# Altium PCB BOARD.PcbDoc
Units mm, origin at the board's own origin, x right, y up, seen from the top; angles counter-clockwise.
Board outline 30 x 50 mm, 2 copper layers (Top Layer, Bottom Layer), stack 1.559 mm thick; 91 components, 132 nets, 427 pads, 105 vias.
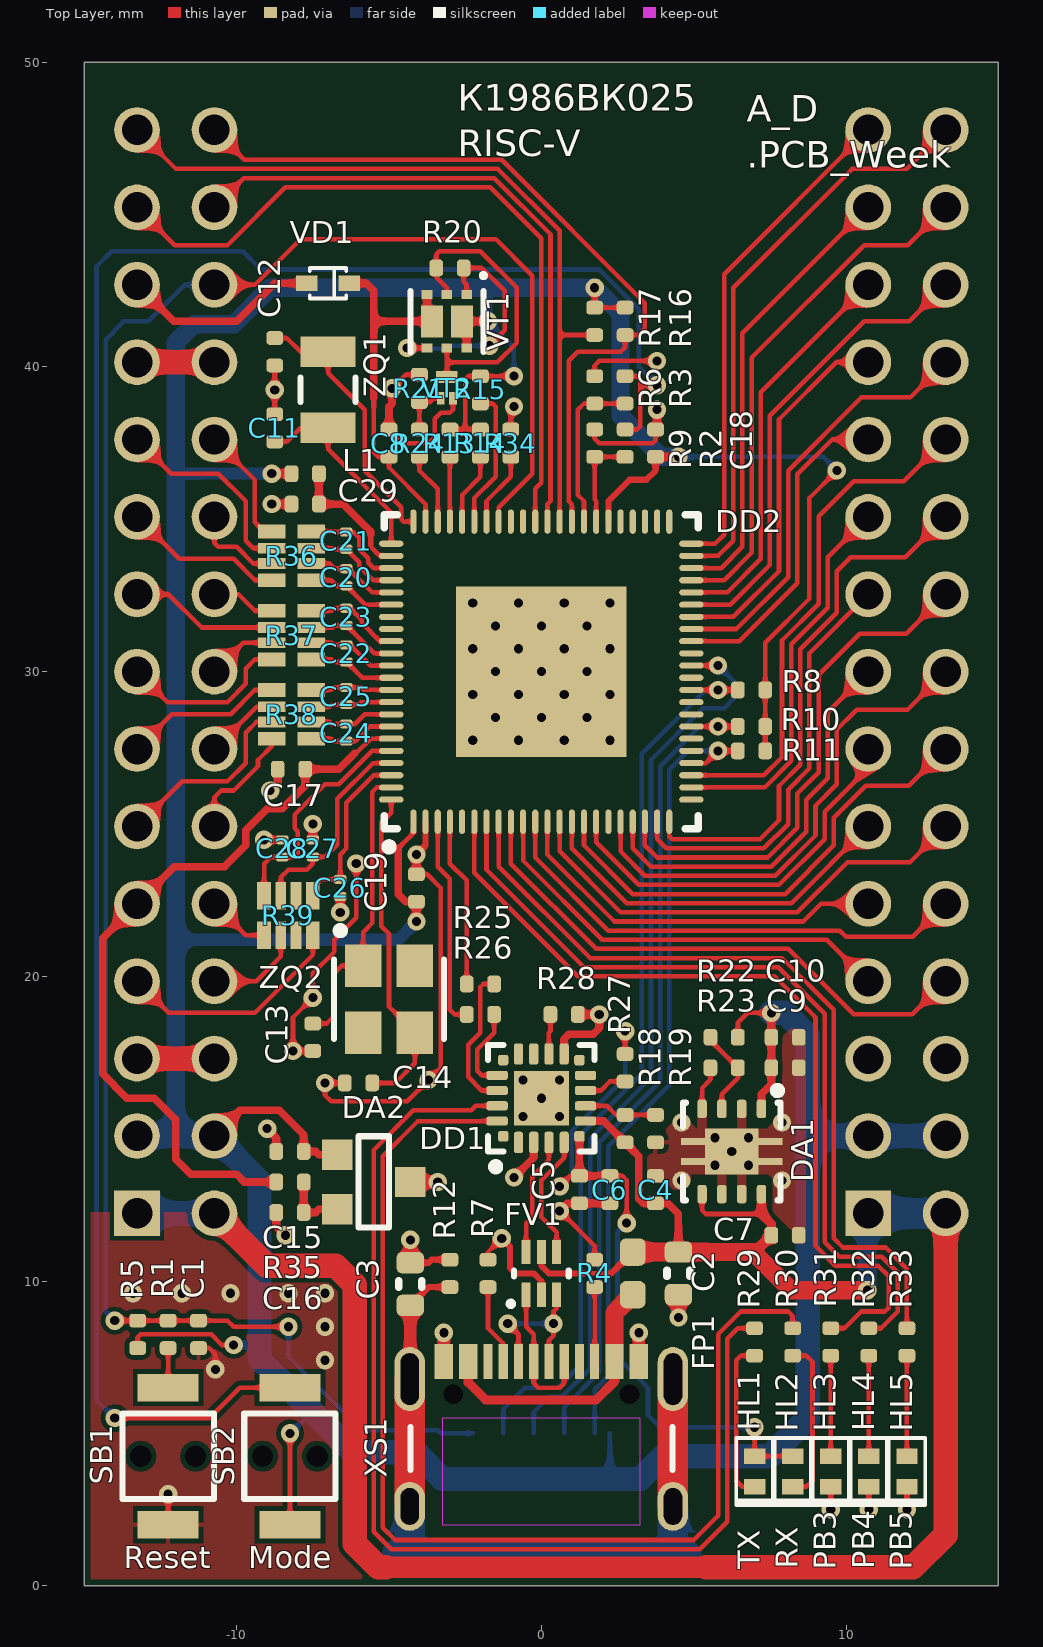
[diagram p0: Top Layer view]
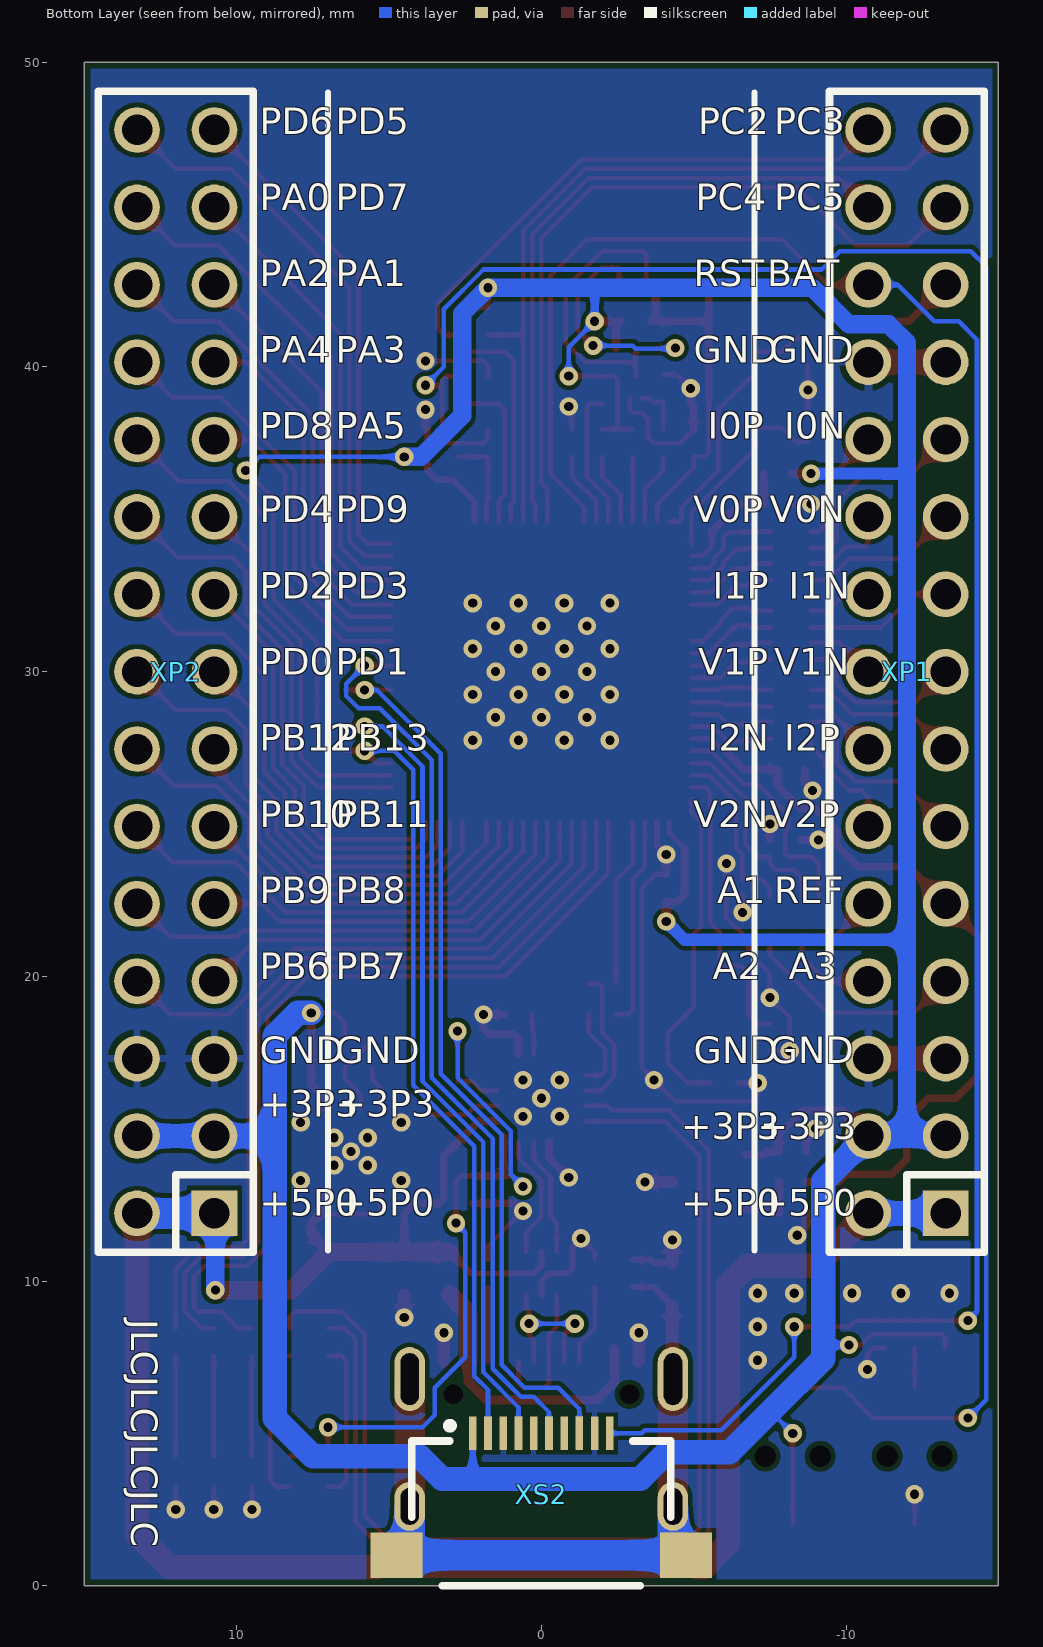
[diagram p1: Bottom Layer view, seen from below]
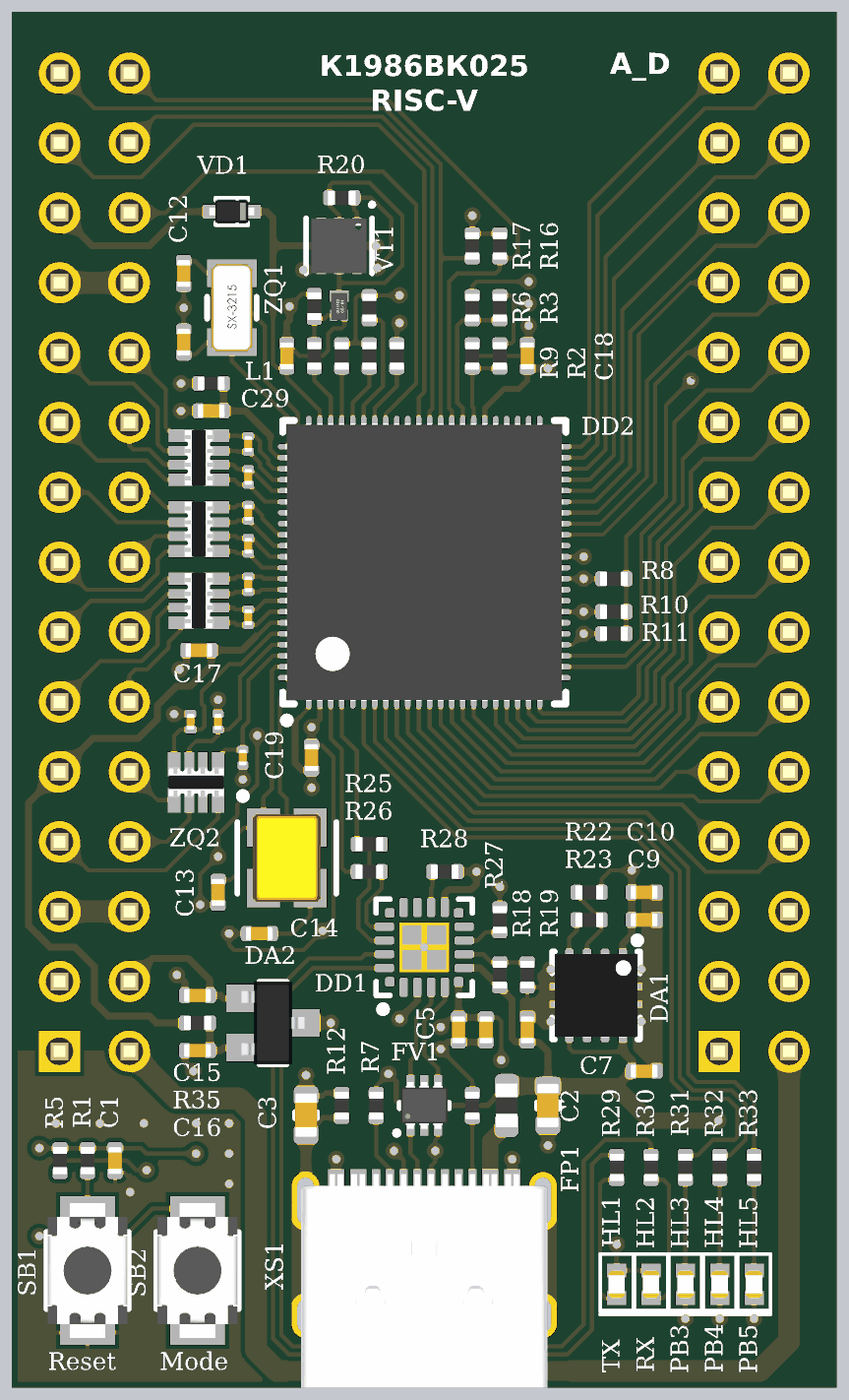
[diagram p2: 3D render of the assembled board from above, using the file's embedded part models]
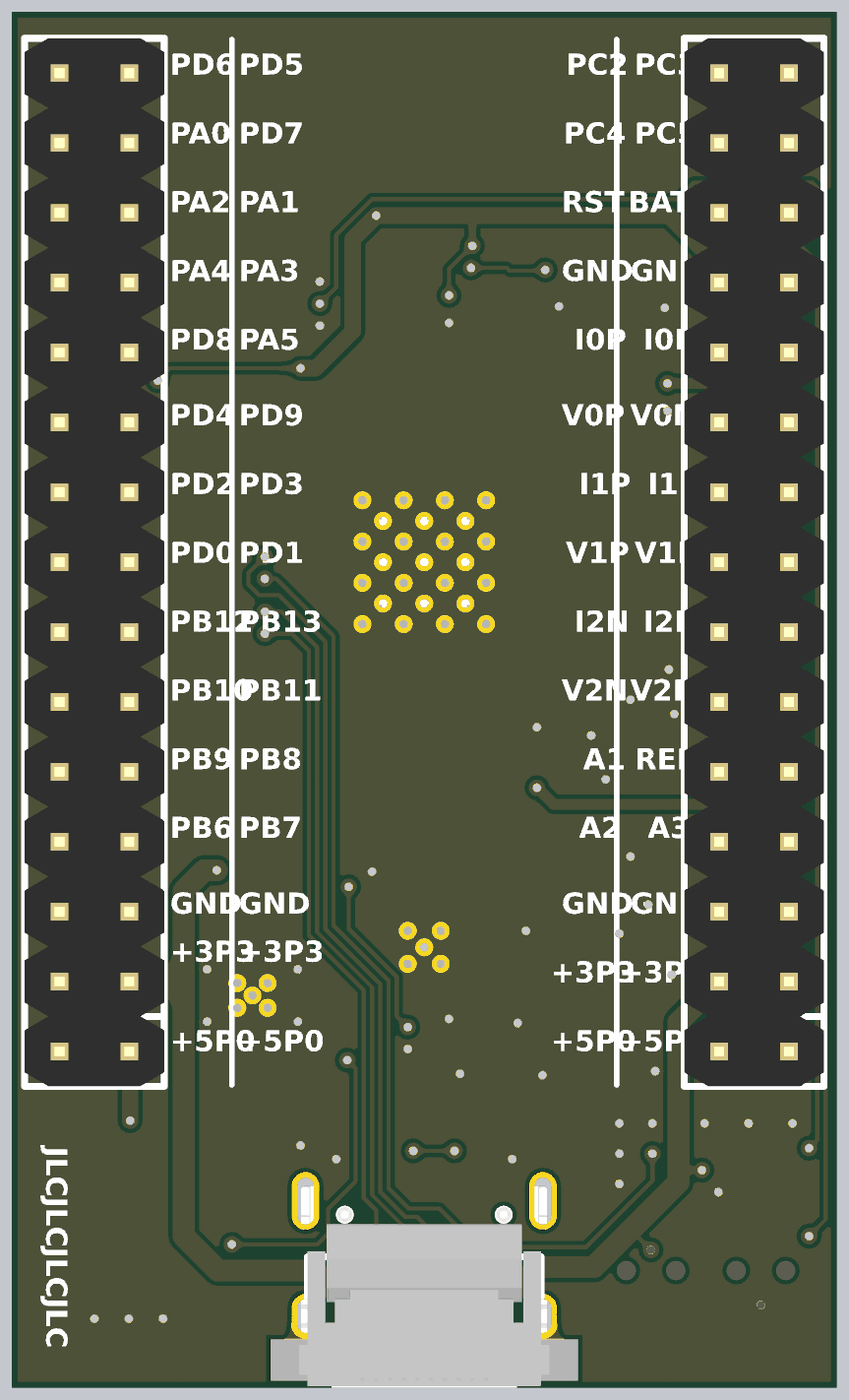
[diagram p3: 3D render of the assembled board from below, using the file's embedded part models]

## Layer stack, top to bottom
Top Solder: solder mask 0.01, Solder Resist, Dk 3.5
Top Layer: signal copper 0.03
Dielectric1: core 1.4986, Core-043, Dk 4.3
Bottom Layer: signal copper 0.03
Bottom Solder: solder mask 0.01, Solder Resist, Dk 3.5

## Board outline
-15,0 -15,50 15,50 15,0

## Design rules (kind name [scope] priority, off if disabled: settings)
BoardOutlineClearance [All] p1: gap=0.2 ignorepadtopadclearanceinfootprint=FALSE
Clearance [All] p1: gap=0.15 ignorepadtopadclearanceinfootprint=FALSE
ComponentClearance [All] p1 off: gap=0.25 collisioncheckmode=3 verticalgap=0.25 showdistances=FALSE
DiffPairsRouting [All] p1: maxlimit=0.4 minlimit=0.15 mostfreqgap=0.2 toplayer_minwidth=0.15 toplayer_maxwidth=0.15 toplayer_prefwidth=0.15 bottomlayer_minwidth=0.15 bottomlayer_maxwidth=0.15 bottomlayer_prefwidth=0.15 maxuncoupledlength=12
Height [All] p1: minheight=0 maxheight=25 prefheight=25
HoleSize [All] p1: absolutevalues=TRUE maxlimit=6 minlimit=0.3 maxpercent=80.000 minpercent=20.000
HoleToHoleClearance [All] p1: gap=0.25 allowstackedmicrovias=TRUE
MinimumSolderMaskSliver [All] p1 off: minsoldermaskwidth=0.254
PlaneClearance [All] p1: clearance=0.5
PlaneConnect [All] p1: planeconnectstyle=Relief reliefexpansion=0.5 reliefentries=4 reliefconductorwidth=0.25 reliefairgap=0.25
PolygonConnect PolygonConnect_DirectConnect [InComponentClass('DirectConnect')] p1: connectstyle=Direct reliefconductorwidth=0.254 reliefentries=4 polygonreliefangle="90 Angle" airgapwidth=0.254
PolygonConnect [All] p2: thpad.connectstyle=Relief thpad.reliefconductorwidth=0.25 thpad.reliefentries=4 thpad.polygonreliefangle="90 Angle" thpad.airgapwidth=0.2 smdpad.connectstyle=Relief smdpad.reliefconductorwidth=0.15 smdpad.reliefentries=4 smdpad.polygonreliefangle="90 Angle" smdpad.airgapwidth=0.15 via.connectstyle=Direct via.reliefconductorwidth=0.254 via.reliefentries=4 via.polygonreliefangle="90 Angle" via.airgapwidth=0.254
RoutingCorners [All] p1: cornerstyle=45-Degree minsetback=1.5 maxsetback=3.5
RoutingVias [All] p1: holewidth=0.6 width=1.2 viastyle="Through Hole" minholewidth=0.3 minwidth=0.6 maxholewidth=1 maxwidth=2
SMDEntry [All] p1: side=TRUE corner=TRUE anyangle=TRUE
SilkToSilkClearance [All] p1 off: silktosilkclearance=0.254
SilkToSolderMaskClearance [IsPad] p1 off: minsilkscreentomaskgap=0.254 clearancetoexposedcopper=TRUE
SolderMaskExpansion [All] p1: expansion=0.025 istentingtop=FALSE
Width [All] p1: maxlimit=8 minlimit=0.15 preferedwidth=0.6
Width Width_TrackEnds [All] p2 off: maxlimit=0.25 minlimit=0.25 preferedwidth=0.25 checkconnectedcopper=TRUE
19 further rules are at their usual default settings.

## Classes and differential pairs
differential pair class USB: IUSB USB
component class DirectConnect: C2 C4 C5 C6 C7 C8 C9 C10 DA1 DD1 FP1 FV1 VT1 XS1
differential pair class USBD: USBD
differential pair SD_VIN2: +SD_VIN2_P -SD_VIN2_N
differential pair SD_VIN1: +SD_VIN1_P -SD_VIN1_N
differential pair SD_VIN0: +SD_VIN0_P -SD_VIN0_N
differential pair SD_IIN3: +SD_IIN3_P -SD_IIN3_N
differential pair SD_IIN2: +SD_IIN2_P -SD_IIN2_N
differential pair SD_IIN1: +SD_IIN1_P -SD_IIN1_N
differential pair SD_IIN0: +SD_IIN0_P -SD_IIN0_N
differential pair USB: +USB_P -USB_N
differential pair USBD: +USBD_P -USBD_N

## Components (designator, comment, footprint, x,y, rotation, side; value= is the part's Value field where it differs from the comment)
C1 "Capacitor" C0402_100X050H050_H -11.25,8.25 r270 top value=0.1uF
C2 "Capacitor" C0603_160X080H080_H 4.5,10.25 r90 top value=10uF
C3 "Capacitor" C0603_160X080H080_H -4.3,9.9 r270 top value=0.1uF
C4 "Capacitor" C0402_100X050H050_H 3.75,13 r270 top value=0.1uF
C5 "Capacitor" C0402_100X050H050_H 1.25,13 r90 top value=10uF
C6 "Capacitor" C0402_100X050H050_H 2.25,13 r270 top value=0.1uF
C7 "Capacitor" C0402_100X050H050_H 8,11.5 r180 top value=1uF
C8 "Capacitor" C0402_100X050H050_H -5,37.5 r90 top value=0.1uF
C9 "Capacitor" C0402_100X050H050_H 8,17 r180 top value=10uF
C10 "Capacitor" C0402_100X050H050_H 8,18 r180 top value=10uF
C11 "Capacitor" C0402_100X050H050_H -8.75,38 r270 top value=8.2pF
C12 "Capacitor" C0402_100X050H050_H -8.75,40.5 r90 top value=8.2pF
C13 "Capacitor" C0402_100X050H050_H -7.5,18 r90 top value=16pF
C14 "Capacitor" C0402_100X050H050_H -6,16.5 r0 top value=16pF
C15 "Capacitor" C0402_100X050H050_H -8.25,14.25 r0 top value=1uF
C16 "Capacitor" C0402_100X050H050_H -8.25,12.25 r0 top value=1uF
C17 "Capacitor" C0402_100X050H050_H -8.2,26.8 r0 top value=1uF
C18 "Capacitor" C0402_100X050H050_H 3.75,37.5 r270 top value=10uF
C19 "Capacitor" C0402_100X050H050_H -4.1,22.9 r90 top value=0.1uF
C20 "Capacitor" C0201_060X030H030_H -6.4,33.1 r270 top value=4700pF
C21 "Capacitor" C0201_060X030H030_H -6.4,34.3 r270 top value=4700pF
C22 "Capacitor" C0201_060X030H030_H -6.4,30.6 r270 top value=4700pF
C23 "Capacitor" C0201_060X030H030_H -6.4,31.8 r270 top value=4700pF
C24 "Capacitor" C0201_060X030H030_H -6.4,28 r270 top value=4700pF
C25 "Capacitor" C0201_060X030H030_H -6.4,29.2 r270 top value=4700pF
C26 "Capacitor" C0201_060X030H030_H -6.6,22.9 r90 top value=4700pF
C27 "Capacitor" C0201_060X030H030_H -7.5,24.2 r270 top value=4700pF
C28 "Capacitor" C0201_060X030H030_H -8.5,24.2 r270 top value=4700pF
C29 "Capacitor" C0402_100X050H050_H -7.75,35.5 r0 top value=1uF
DA1 "TPS73501DRB" VSON-8_065P300X300X100_N 6.25,14.25 r180 top locked value=TPS73501DRBR
DA2 "REF33xxAIDBZx-Series" SOT-23_190P290X160X145_N -5.5,13.25 r270 top value=REF3325AIDBZR
DD1 "CP2102N-xxx-GQFN20" QFN-20_050P300X300X080_N 0,16 r90 top locked value=CP2102N-A01-GQFN20
DD2 "1986ВК025-Series" QFN-88_040P1000X1000X080_N 0,30 r90 top locked value=К1986ВК025
FP1 "Fuse_PTC" F0603_160X080H075_H 3,10.25 r90 top value=0603L100SLYR
FV1 "USBLC6-2x6" SOT-666_050P160X120X060_N 0,10.25 r0 top value=USBLC6-2P6
HL1 "TX" LD0402 7,3.75 r270 top value=KPHHS-1005SURCK
HL2 "RX" LD0402 8.25,3.75 r270 top value=KPHHS-1005CGCK
HL3 "PB3" LD0402 9.5,3.75 r270 top value=KPHHS-1005QBC-D-V
HL4 "PB4" LD0402 10.75,3.75 r270 top value=KPHHS-1005QBC-D-V
HL5 "PB5" LD0402 12,3.75 r270 top value=KPHHS-1005QBC-D-V
L1 "FerriteBead" L0402_100X050H050_H -7.75,36.5 r0 top value=BLM15HD102SN1D
R1 "Resistor" R0402_100X050H035_H -12.25,8.25 r90 top value=100
R2 "Resistor" R0402_100X050H035_H 2.75,37.5 r90 top value=0
R3 "Resistor" R0402_100X050H035_H 2.75,39.25 r90 top value=100
R4 "Resistor" R0402_100X050H035_H 1.75,10.25 r270 top value=5.1k
R5 "Resistor" R0402_100X050H035_H -13.25,8.25 r270 top value=10k
R6 "Resistor" R0402_100X050H035_H 1.75,39.25 r270 top value=10k
R7 "Resistor" R0402_100X050H035_H -1.75,10.25 r270 top value=5.1k
R8 "Resistor" R0402_100X050H035_H 6.9,29.4 r0 top value=10k
R9 "Resistor" R0402_100X050H035_H 1.75,37.5 r270 top value=10k
R10 "Resistor" R0402_100X050H035_H 6.9,28.2 r0 top value=10k
R11 "Resistor" R0402_100X050H035_H 6.9,27.4 r0 top value=10k
R12 "Resistor" R0402_100X050H035_H -3,10.25 r270 top value=100k
R13 "Resistor" R0402_100X050H035_H -3,37.5 r270 top value=10k
R14 "Resistor" R0402_100X050H035_H -2,37.5 r270 top value=10k
R15 "Resistor" R0402_100X050H035_H -2,39.25 r270 top value=10k
R16 "Resistor" R0402_100X050H035_H 2.75,41.5 r270 top value=10k
R17 "Resistor" R0402_100X050H035_H 1.75,41.5 r270 top value=10k
R18 "Resistor" R0402_100X050H035_H 2.75,15 r270 top value=22.1k
R19 "Resistor" R0402_100X050H035_H 3.75,15 r270 top value=47k
R20 "Resistor" R0402_100X050H035_H -3,43.25 r0 top value=100k
R21 "Resistor" R0402_100X050H035_H -4,39.3 r270 top value=100k
R22 "Resistor" R0402_100X050H035_H 6,18 r0 top value=22.1k
R23 "Resistor" R0402_100X050H035_H 6,17 r0 top value=12k
R24 "Resistor" R0402_100X050H035_H -4,37.5 r90 top value=100
R25 "Resistor" R0402_100X050H035_H -2,19.75 r0 top value=100
R26 "Resistor" R0402_100X050H035_H -2,18.75 r0 top value=100
R27 "Resistor" R0402_100X050H035_H 2.75,17 r270 top value=10k
R28 "Resistor" R0402_100X050H035_H 0.75,18.75 r180 top value=10k
R29 "Resistor" R0402_100X050H035_H 7,8 r90 top value=1k
R30 "Resistor" R0402_100X050H035_H 8.25,8 r90 top value=1k
R31 "Resistor" R0402_100X050H035_H 9.5,8 r90 top value=1k
R32 "Resistor" R0402_100X050H035_H 10.75,8 r90 top value=1k
R33 "Resistor" R0402_100X050H035_H 12,8 r90 top value=1k
R34 "Resistor" R0402_100X050H035_H -1,37.5 r90 top value=0
R35 "Resistor" R0402_100X050H035_H -8.25,13.25 r0 top value=0
R36 "Resistor-4" CAY10-x4 -8.2,33.8 r90 top value=100
R37 "Resistor-4" CAY10-x4 -8.2,31.2 r90 top value=100
R38 "Resistor-4" CAY10-x4 -8.2,28.6 r90 top value=100
R39 "Resistor-4" CAY10-x4 -8.3,22 r180 top value=100
SB1 "Reset" IT-1185AP -12.25,4.25 r180 top locked value=IT-1185AP
SB2 "Mode" IT-1185AP -8.25,4.25 r180 top locked value=IT-1185AP
VD1 "Diode" SOD-523 -7,42.75 r0 top value=1N4148WT-7
VT1 "MOSFET-PP_8p_2" SOT-1118-2M_065P200X200X065_N -3.1,41.5 r180 top value=PMDPB70XP
VT2 "MOSFET-N_32" SOT-883B_035P060X100X040_N -3.1,39.3 r0 top value=NX3008NBKMB
XP1 "Text" PLD-30 -12,30 r90 bottom value=PLD-30
XP2 "Text" PLD-30 12,30 r90 bottom value=PLD-30
XS1 "Text" U262-161N-4BVC11 0,0 r0 top locked value=U262-161N-4BVC11
XS2 "JTAG-FFC" XF2M-1015-1A 0,2.75 r0 bottom value=XF2M-1015-1A
ZQ1 "Crystal" SX-3215 -7,39.25 r90 top value="SX-3215 32.768KHz"
ZQ2 "Crystal-1_3p" "SMD 3.2x2.5mm" -5,19.25 r270 top value=12.88602_KX-7-16.0MHz

## Footprints (in the part's own frame and the unit in brackets; to place one, negate y for a bottom-side part, rotate by r counter-clockwise, add the part's x,y. Pads: shape width x height; smd on the part's side, far side on the other; paste and mask are expansions set on the pad)
C0201_060X030H030_H [mm] "Chip Capacitor, 2-Leads, Body 0,60x0,30mm, IPC High Density"
  rrect50% 0.3x0.4 smd: 1(-0.28,0) 2(0.28,0)
  body extent -0.3,-0.15 0.3,0.15, height 0.3
C0402_100X050H050_H [mm] "Chip Capacitor, 2-Leads, Body 1,00x0,50mm, IPC High Density"
  rrect50% 0.45x0.55 smd: 1(-0.45,0) 2(0.45,0)
  body extent -0.5,-0.25 0.5,0.25, height 0.5
C0603_160X080H080_H [mm] "Chip Capacitor, 2-Leads, Body 1,60x0,80mm, IPC High Density"
  rrect50% 0.7x0.9 smd: 1(-0.7,0) 2(0.7,0)
  silkscreen extent -0.1,-0.38 0.1,0.38, body extent -0.8,-0.4 0.8,0.4, height 0.8
CAY10-x4 [mm] "Chip Array, ConvexS, 8-Leads, Pitch 0,50mm,  Body 2,00x1,00mm,  IPC Low Density"
  rect 0.45x0.9 smd: 1(-0.8,-0.65) 4(0.8,-0.65) 5(0.8,0.65) 8(-0.8,0.65)
  rect 0.35x0.9 smd: 2(-0.25,-0.65) 3(0.25,-0.65) 6(0.25,0.65) 7(-0.25,0.65)
  body extent -1,-0.55 1,0.55, height 0.35
F0603_160X080H075_H [mm] "Chip Resistor, 2-Leads, Body 1,60x0,80mm, IPC High Density"
  rrect50% 0.9x0.85 smd: 1(-0.7,0) 2(0.7,0)
  body extent -0.8,-0.4 0.8,0.4, height 0.75
IT-1185AP [mm]
  rect 2x0.9 smd: 1(0,2.25) 2(0,-2.25)
  round 0.1 hole 0.7 unplated: 4(-0.9,0) 4(0.9,0)
  silkscreen extent -1.5,-1.4 1.5,1.4, body extent -1.45,-2.45 1.45,2.45, height 2.04
L0402_100X050H050_H [mm] "Chip Inductor, 2-Leads, Body 1,00x0,50mm, IPC High Density"
  rrect50% 0.45x0.55 smd: 1(-0.45,0) 2(0.45,0)
  body extent -0.5,-0.25 0.5,0.25, height 0.5
LD0402 [mm] "1005M"
  rect 0.5x0.7 smd: 1(-0.5,0) 2(0.5,0)
  silkscreen extent -1.1,-0.6 1.1,0.6, body extent -0.5,-0.3 0.5,0.3, height 0.2
PLD-30 [mm]
  rect 1.5x1.5 hole 1: 1(-17.78,-1.27)
  round 1.5 hole 1: 2(-17.78,1.27) 3(-15.24,-1.27) 4(-15.24,1.27) 5(-12.7,-1.27) 6(-12.7,1.27) 7(-10.16,-1.27) 8(-10.16,1.27) 9(-7.62,-1.27) 10(-7.62,1.27) 11(-5.08,-1.27) 12(-5.08,1.27) 13(-2.54,-1.27) 14(-2.54,1.27) 15(0,-1.27) 16(0,1.27) 17(2.54,-1.27) 18(2.54,1.27) 19(5.08,-1.27) 20(5.08,1.27) 21(7.62,-1.27) 22(7.62,1.27) 23(10.16,-1.27) 24(10.16,1.27) 25(12.7,-1.27) 26(12.7,1.27) 27(15.24,-1.27) 28(15.24,1.27) 29(17.78,-1.27) 30(17.78,1.27)
  silkscreen extent -19.05,-2.54 19.05,2.54, body extent -19.05,-2.54 19.05,2.54, height 8.9
QFN-20_050P300X300X080_N [mm]
  rrect50% 0.35x0.35 smd: 1(-1.25,1.25) 6(-1.25,-1.25) 11(1.25,-1.25) 16(1.25,1.25)
  rrect50% 0.7x0.3 smd: 2(-1.45,0.75) 3(-1.45,0.25) 4(-1.45,-0.25) 5(-1.45,-0.75) 12(1.45,-0.75) 13(1.45,-0.25) 14(1.45,0.25) 15(1.45,0.75)
  rrect50% 0.3x0.7 smd: 7(-0.75,-1.45) 8(-0.25,-1.45) 9(0.25,-1.45) 10(0.75,-1.45) 17(0.75,1.45) 18(0.25,1.45) 19(-0.25,1.45) 20(-0.75,1.45)
  rect 1.8x1.8 smd paste-10: TP(0,0)
  silkscreen extent -2.37,-1.75 1.75,1.75, body extent -1.5,-1.5 1.5,1.5, height 0.8
QFN-88_040P1000X1000X080_N [mm] "QFN, 88-Leads, Body 10,00x10,00mm, Pitch 0,40mm, Thermal Pad 8,00x8,00mm, IPC Medium Density"
  oval 0.8x0.2 smd: 1(-4.925,4.2) 2(-4.925,3.8) 3(-4.925,3.4) 4(-4.925,3) 5(-4.925,2.6) 6(-4.925,2.2) 7(-4.925,1.8) 8(-4.925,1.4) 9(-4.925,1) 10(-4.925,0.6) 11(-4.925,0.2) 12(-4.925,-0.2) 13(-4.925,-0.6) 14(-4.925,-1) 15(-4.925,-1.4) 16(-4.925,-1.8) 17(-4.925,-2.2) 18(-4.925,-2.6) 19(-4.925,-3) 20(-4.925,-3.4) 21(-4.925,-3.8) 22(-4.925,-4.2) 45(4.925,-4.2) 46(4.925,-3.8) 47(4.925,-3.4) 48(4.925,-3) 49(4.925,-2.6) 50(4.925,-2.2) 51(4.925,-1.8) 52(4.925,-1.4) 53(4.925,-1) 54(4.925,-0.6) 55(4.925,-0.2) 56(4.925,0.2) 57(4.925,0.6) 58(4.925,1) 59(4.925,1.4) 60(4.925,1.8) 61(4.925,2.2) 62(4.925,2.6) 63(4.925,3) 64(4.925,3.4) 65(4.925,3.8) 66(4.925,4.2)
  oval 0.2x0.8 smd: 23(-4.2,-4.925) 24(-3.8,-4.925) 25(-3.4,-4.925) 26(-3,-4.925) 27(-2.6,-4.925) 28(-2.2,-4.925) 29(-1.8,-4.925) 30(-1.4,-4.925) 31(-1,-4.925) 32(-0.6,-4.925) 33(-0.2,-4.925) 34(0.2,-4.925) 35(0.6,-4.925) 36(1,-4.925) 37(1.4,-4.925) 38(1.8,-4.925) 39(2.2,-4.925) 40(2.6,-4.925) 41(3,-4.925) 42(3.4,-4.925) 43(3.8,-4.925) 44(4.2,-4.925) 67(4.2,4.925) 68(3.8,4.925) 69(3.4,4.925) 70(3,4.925) 71(2.6,4.925) 72(2.2,4.925) 73(1.8,4.925) 74(1.4,4.925) 75(1,4.925) 76(0.6,4.925) 77(0.2,4.925) 78(-0.2,4.925) 79(-0.6,4.925) 80(-1,4.925) 81(-1.4,4.925) 82(-1.8,4.925) 83(-2.2,4.925) 84(-2.6,4.925) 85(-3,4.925) 86(-3.4,4.925) 87(-3.8,4.925) 88(-4.2,4.925)
  rect 5.6x5.6 smd paste-10: TP(0,0)
  silkscreen extent -5.87,-5.15 5.15,5.15, body extent -5.05,-5.05 5.05,5.05, height 0.8
R0402_100X050H035_H [mm] "Chip Resistor, 2-Leads, Body 1,00x0,50mm, IPC High Density"
  rrect50% 0.45x0.55 smd: 1(-0.45,0) 2(0.45,0)
  body extent -0.5,-0.25 0.5,0.25, height 0.35
"SMD 3.2x2.5mm" [mm]
  rect 1.4x1.2 smd paste+0: 1(-1.1,-0.85) 2(1.1,-0.85) 3(1.1,0.85) 4(-1.1,0.85)
  silkscreen extent -2.37,-1.8 1.3,1.8, body extent -1.6,-1.25 1.6,1.25, height 0.77
SOD-523 [mm]
  rect 0.7x0.5 smd: 1(-0.7,0) 2(0.7,0)
  silkscreen extent -0.6,-0.5 0.6,0.5, body extent -0.82,-0.4 0.83,0.4, height 0.67
SOT-23_190P290X160X145_N [mm] "КТ-46"
  rect 1x1 smd: 1(-0.9,-1.2) 2(0.9,-1.2) 3(0,1.2)
  silkscreen extent -1.5,-0.5 1.5,0.5, body extent -1.5,-1.15 1.5,1.15, height 1.11
SOT-666_050P160X120X060_N [mm]
  rect 0.3x0.8 smd: 1(-0.5,-0.7) 2(0,-0.7) 3(0.5,-0.7) 4(0.5,0.7) 5(0,0.7) 6(-0.5,0.7)
  silkscreen extent -1.08,-1.08 0.9,0.1, body extent -0.85,-0.85 0.85,0.85, height 0.62
SOT-883B_035P060X100X040_N [mm]
  rect 0.25x0.4 smd: 1(-0.2,-0.325) 2(0.2,-0.325)
  rect 0.7x0.4 smd: 3(0,0.375)
  body extent -0.29,-0.49 0.29,0.49, height 0.48
SOT-1118-2M_065P200X200X065_N [mm] "DFN2020-6"
  rect 0.35x0.3 smd: 1(-0.65,-0.875) 2(0,-0.875) 3(0.65,-0.875) 4(0.65,0.875) 5(0,0.875) 6(-0.65,0.875)
  rect 0.72x1.05 smd: 3(0.49,0) 6(-0.49,0)
  silkscreen extent -1.25,-1.55 1.2,1, body extent -1,-1 1,1, height 0.65
SX-3215 [mm]
  rect 1x1.8 smd: 1(-1.25,0) 3(1.25,0)
  silkscreen extent -0.4,-0.9 0.4,0.9, body extent -1.6,-0.75 1.6,0.75, height 0.81
U262-161N-4BVC11 [mm]
  round 0 hole 0.65 unplated: 0(-2.89,6.28) 0(2.89,6.28)
  rect 0.3x1.15 smd: A1(-3.35,7.355) A4(-2.55,7.355) A5(-1.25,7.355) A6(-0.25,7.355) A7(0.25,7.355) A8(-1.75,7.355) A9(2.55,7.355) A12(3.35,7.355) B1(3.05,7.355) B4(2.25,7.355) B5(1.75,7.355) B6(0.75,7.355) B7(-0.75,7.355) B8(1.25,7.355) B9(-2.25,7.355) B12(-3.05,7.355)
  oval 1x1.6 hole 0.6 slot 1.2 at 90 deg: SH(-4.32,2.6) SH(4.32,2.6)
  oval 1x2.1 hole 0.6 slot 1.7 at 90 deg: SH(-4.32,6.78) SH(4.32,6.78)
  Top Layer keep-out region: -3.25,2 3.25,2 3.25,5.5 -3.25,5.5
  silkscreen extent -4.3,3.8 4.3,5.2, body extent -4.48,0 4.48,7.75, height 3.26
VSON-8_065P300X300X100_N [mm]
  rrect50% 0.31x0.6 smd: 1(-0.975,-1.4) 2(-0.325,-1.4) 3(0.325,-1.4) 4(0.975,-1.4) 5(0.975,1.4) 6(0.325,1.4) 7(-0.325,1.4) 8(-0.975,1.4)
  rect 0.825x0.23 smd: TP(-1.25,-0.325) TP(-1.25,0.325) TP(1.25,-0.325) TP(1.25,0.325)
  rect 1.75x1.5 smd: TP(0,0)
  silkscreen extent -1.63,-2.12 1.6,1.6, body extent -1.52,-1.52 1.52,1.52, height 1.04
XF2M-1015-1A [mm]
  rect 0.25x1.1 smd mask+0.025: 1(2.25,-2.25) 2(1.75,-2.25) 3(1.25,-2.25) 4(0.75,-2.25) 5(0.25,-2.25) 6(-0.25,-2.25) 7(-0.75,-2.25) 8(-1.25,-2.25) 9(-1.75,-2.25) 10(-2.25,-2.25)
  rect 1.7x1.5 smd mask+0.025: SH(-4.75,1.75) SH(4.75,1.75)
  silkscreen extent -4.25,-2.6 4.25,2.75, body extent -4.55,-3.2 4.55,2.7, height 2
